# Altium PCB Flight_Computer_Unit.PcbDoc (part 1 of 3) (continued)
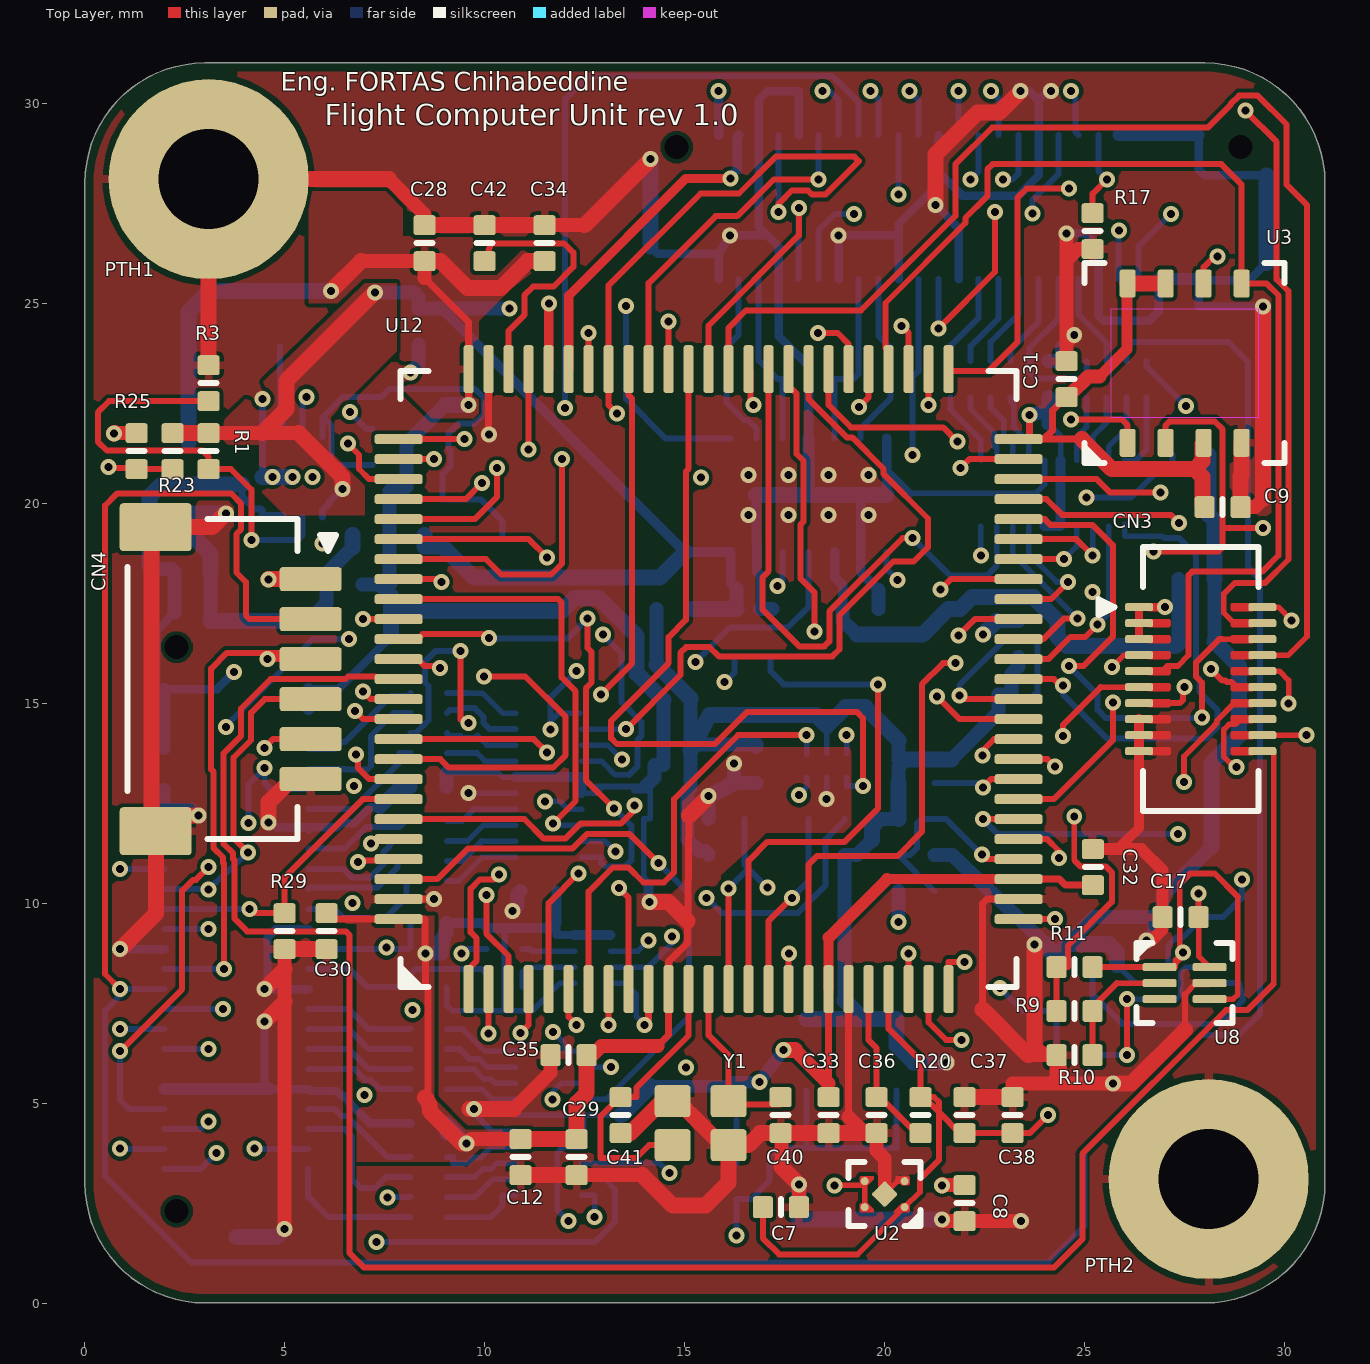
[diagram p0: Top Layer view]
## Design rules (kind name [scope] priority, off if disabled: settings)
BoardOutlineClearance [All] p1: gap=0.22 ignorepadtopadclearanceinfootprint=FALSE
Clearance [All] p1: gap=0.1 ignorepadtopadclearanceinfootprint=FALSE
ComponentClearance [All] p1: gap=0.05 collisioncheckmode=3 verticalgap=0.1 showdistances=FALSE
DiffPairsRouting [InDifferentialPair('USB')] p1: maxlimit=0.127 minlimit=0.127 mostfreqgap=0.127 toplayer_minwidth=0.23 toplayer_maxwidth=0.23 toplayer_prefwidth=0.23 midlayer1_minwidth=0.126 midlayer1_maxwidth=0.126 midlayer1_prefwidth=0.126 midlayer2_minwidth=0.126 midlayer2_maxwidth=0.126 midlayer2_prefwidth=0.126 bottomlayer_minwidth=0.23 bottomlayer_maxwidth=0.23 bottomlayer_prefwidth=0.23 impedanceprofiledriven=TRUE impedanceprofileid={7EB072AD-9B68-4753-8E3E-E2E8A4A79090} impedanceprofilevalue=90.000000 maxuncoupledlength=12.7
HoleToHoleClearance [All] p1: gap=0.15 allowstackedmicrovias=TRUE
MinimumSolderMaskSliver [All] p1: minsoldermaskwidth=0.15
PasteMaskExpansion [All] p1: expansion=-0.05
PlaneClearance [All] p1: clearance=0.508
PlaneConnect [All] p1: planeconnectstyle=Direct reliefexpansion=0.508 reliefentries=4 reliefconductorwidth=0.254 reliefairgap=0.254
PolygonConnect PolygonConnect_PWR [InNetClass('Power')] p1: thpad.connectstyle=Relief thpad.reliefconductorwidth=0.2 thpad.reliefentries=4 thpad.polygonreliefangle="90 Angle" thpad.airgapwidth=0.15 smdpad.connectstyle=Relief smdpad.reliefconductorwidth=0.2 smdpad.reliefentries=4 smdpad.polygonreliefangle="90 Angle" smdpad.airgapwidth=0.1 via.connectstyle=Direct via.reliefconductorwidth=0.254 via.reliefentries=4 via.polygonreliefangle="90 Angle" via.airgapwidth=0.254
PolygonConnect [All] p2: connectstyle=Relief reliefconductorwidth=0.2 reliefentries=4 polygonreliefangle="90 Angle" airgapwidth=0.15
RoutingVias [All] p1: holewidth=0.2 width=0.4 viastyle="Through Hole" minholewidth=0.15 minwidth=0.35 maxholewidth=0.711 maxwidth=1.27
SMDNeckDown [All] p1: percent=100.000
SilkToSilkClearance [All] p1: silktosilkclearance=0.15
SilkToSolderMaskClearance [IsPad] p1: minsilkscreentomaskgap=0.1 clearancetoexposedcopper=TRUE
SolderMaskExpansion [All] p1: expansion=0.1 istentingtop=FALSE
Width Width_PWR [InNetClass('Power')] p1: maxlimit=1 minlimit=0.14 preferedwidth=0.4
Width [All] p2: maxlimit=1 minlimit=0.1 preferedwidth=0.15
21 further rules are at their usual default settings.

## Classes and differential pairs
net class Power: GND VCC3 VCC5
component class 8_imu&debug_conn: C23 CN3 CN4
component class 7_can_rc_i2c_analog: C16 C17 C18 C19 C20 C21 C22 R5 R6 R7 R8 R9 R10 R11 R12 R13 R14 R15 R16 R17 U7 U8 U9 U10 U11
component class 6_uart_esc_i2c: C10 C11 C12 C13 C14 C15 RN1 RN2 RN3 RN4 RN5 RN6 U4 U5 U6
component class 5_spi_memory: C9 U3
component class 4_cpu: C24 C25 C26 C27 C28 C29 C30 C31 C32 C33 C34 C35 C36 C37 C38 C39 C40 C41 C42 C43 C44 D1 R18 R19 R20 R21 R22 R23 R24 R25 R26 R27 R28 R29 R30 U12 Y1
component class 3_power: C3 C4 C5 C6 C7 C8 L1 R1 R2 R3 R4 U1 U2
component class 2_mb_conn: C1 C2 CN1 CN2 PTH1 PTH2
differential pair USB: +USB_P -USB_N

## Components (designator, comment, footprint, x,y, rotation, side; value= is the part's Value field where it differs from the comment)
C1 "Capacitor 100nF +/-20% 10V 0402" CAPC0402(1005)60_L 2.7,18.25 r180 bottom locked value=100nF
C2 "Capacitor 100nF +/-20% 10V 0402" CAPC0402(1005)60_L 6.5,17.97 r0 bottom locked value=100nF
C3 "Capacitor 22µF +/-40% 16V 0805" CAPC0805(2012)145_L 2.6,20.645 r90 bottom locked value=22µF
C4 "Capacitor 22µF +/-40% 16V 0805" CAPC0805(2012)145_L 10.45,18.2 r270 bottom locked value=22µF
C5 "Capacitor 22µF +/-40% 16V 0805" CAPC0805(2012)145_L 7.6,19.2 r0 bottom locked value=22µF
C6 "Capacitor 100nF +/-20% 10V 0402" CAPC0402(1005)60_L 8.35,24.415 r90 bottom locked value=100nF
C7 "Capacitor 100nF +/-20% 10V 0402" CAPC0402(1005)60_L 17.405,2.4 r180 top locked value=100nF
C8 "Capacitor 22pF +/-10% 50V 0402" CAPC0402(1005)60_L 22,2.5 r90 top locked value=22pF
C9 "Capacitor 100nF +/-20% 10V 0402" CAPC0402(1005)60_L 28.45,19.9 r180 top locked value=100nF
C10 "Capacitor 100nF +/-20% 10V 0402" CAPC0402(1005)60_L 23.35,16.6 r90 bottom locked value=100nF
C11 "Capacitor 100nF +/-20% 10V 0402" CAPC0402(1005)60_L 24.1,23.1 r270 bottom locked value=100nF
C12 "Capacitor 100nF +/-20% 10V 0402" CAPC0402(1005)60_L 10.9,3.65 r90 top locked value=100nF
C13 "Capacitor 100nF +/-20% 10V 0402" CAPC0402(1005)60_L 8.6,4.5 r0 bottom locked value=100nF
C14 "Capacitor 100nF +/-20% 10V 0402" CAPC0402(1005)60_L 8.6,12.9 r0 bottom locked value=100nF
C15 "Capacitor 100nF +/-20% 10V 0402" CAPC0402(1005)60_L 14.7,13.45 r0 bottom locked value=100nF
C16 "Capacitor 100nF +/-20% 10V 0402" CAPC0402(1005)60_L 11.35,10.3 r0 bottom locked value=100nF
C17 "Capacitor 100nF +/-20% 10V 0402" CAPC0402(1005)60_L 27.4,9.65 r0 top locked value=100nF
C18 "Capacitor 2,2µF +/-20% 10V 0402" CAPC0402(1005)60_L 14.75,17.35 r0 bottom locked value=2.2µF
C19 "Capacitor 100nF +/-20% 10V 0402" CAPC0402(1005)60_L 19.4,17.35 r180 bottom locked value=100nF
C20 "Capacitor 100nF +/-20% 10V 0402" CAPC0402(1005)60_L 16.75,17.35 r180 bottom locked value=100nF
C21 "Capacitor 100nF +/-20% 10V 0402" CAPC0402(1005)60_L 27.4,9.65 r0 bottom locked value=100nF
C22 "Capacitor 100nF +/-20% 10V 0402" CAPC0402(1005)60_L 16.8,13.45 r270 bottom locked value=100nF
C23 "Capacitor 100nF +/-20% 10V 0402" CAPC0402(1005)60_L 27.8,18.105 r180 bottom locked value=100nF
C24 "Capacitor 100µF +/-20% 6.3V 0805" CAPC0805(2012)145_L 20.3,6.205 r270 bottom locked value=100µF
C25 "Capacitor 100µF +/-20% 6.3V 0805" CAPC0805(2012)145_L 20.3,2.995 r90 bottom locked value=100µF
C26 "Capacitor 100µF +/-20% 6.3V 0805" CAPC0805(2012)145_L 18.05,6.205 r270 bottom locked value=100µF
C27 "Capacitor 100µF +/-20% 6.3V 0805" CAPC0805(2012)145_L 18.05,2.995 r90 bottom locked value=100µF
C28 "Capacitor 2,2µF +/-20% 10V 0402" CAPC0402(1005)60_L 8.5,26.5 r90 top value=2.2µF
C29 "Capacitor 2,2µF +/-20% 10V 0402" CAPC0402(1005)60_L 12.3,3.65 r270 top locked value=2.2µF
C30 "Capacitor 100nF +/-20% 10V 0402" CAPC0402(1005)60_L 6.05,9.3 r270 top locked value=100nF
C31 "Capacitor 100nF +/-20% 10V 0402" CAPC0402(1005)60_L 24.55,23.1 r90 top locked value=100nF
C32 "Capacitor 100nF +/-20% 10V 0402" CAPC0402(1005)60_L 25.205,10.9 r90 top locked value=100nF
C33 "Capacitor 100nF +/-20% 10V 0402" CAPC0402(1005)60_L 18.6,4.7 r270 top locked value=100nF
C34 "Capacitor 100nF +/-20% 10V 0402" CAPC0402(1005)60_L 11.5,26.5 r90 top value=100nF
C35 "Capacitor 100nF +/-20% 10V 0402" CAPC0402(1005)60_L 12.1,6.2 r180 top locked value=100nF
C36 "Capacitor 2,2µF +/-20% 10V 0402" CAPC0402(1005)60_L 19.8,4.7 r90 top locked value=2.2µF
C37 "Capacitor 100nF +/-20% 10V 0402" CAPC0402(1005)60_L 22,4.7 r90 top locked value=100nF
C38 "Capacitor 2,2µF +/-20% 10V 0402" CAPC0402(1005)60_L 23.2,4.7 r270 top locked value=2.2µF
C39 "Capacitor 100nF +/-20% 10V 0402" CAPC0402(1005)60_L 20.8,12.1 r0 bottom locked value=100nF
C40 "Capacitor 12pF +/-10% 50V 0402" CAPC0402(1005)33_L 17.4,4.7 r270 top locked value=12pF
C41 "Capacitor 12pF +/-10% 50V 0402" CAPC0402(1005)33_L 13.4,4.7 r270 top locked value=12pF
C42 "Capacitor 2,2µF +/-20% 10V 0402" CAPC0402(1005)60_L 10,26.5 r90 top value=2.2µF
C43 "Capacitor 2,2µF +/-20% 10V 0402" CAPC0402(1005)60_L 27.65,21.2 r0 bottom locked value=2.2µF
C44 "Capacitor 100nF +/-20% 10V 0402" CAPC0402(1005)60_L 16.05,11.2 r0 bottom locked value=100nF
CN1 "DF12(3.0)-50DS-0.5V(86)" HIRO-DF12(3.0)-50DS-0.5V_V 21.85,27.4 r180 bottom locked
CN2 "DF12(3.0)-50DS-0.5V(86)" HIRO-DF12(3.0)-50DS-0.5V_V 3.8,9.35 r270 bottom locked
CN3 "DF40C-20DS-0.4V(51)" HIRO-DF40C-20DS-0.4V(51)_V 27.9,15.6 r270 top locked
CN4 "SM06B-SRSS-TB" JST-SM06B-SRSS-TB_V 3.2,15.6 r270 top locked
D1 "1SS400CSFH" ROHM-VMN2-2_V 16.3,5.05 r90 bottom locked
L1 "VLS252010HBX-2R2M-1" TDK-VLS252010_V 5.83,23.9 r0 bottom locked
PTH1 "PTH-M2D5X5" PTH-M2D5X5 3.1,28.1 r0 top locked
PTH2 "PTH-M2D5X5" PTH-M2D5X5 28.1,3.1 r0 top locked
R1 "Jumper 0402" RESC0402(1005)_L 3.1,21.3 r90 top locked value=0
R2 "Resistor 383K +/-1 % 0402 63 mW" RESC0402(1005)_L 8.5,20.4 r180 bottom value=383k
R3 "Resistor 1K +/-5 % 0402 63 mW" RESC0402(1005)_L 3.1,23 r270 top locked value=1k
R4 "Resistor 84K5 +/-1 % 0402 63 mW" RESC0402(1005)_L 7.2,21.4 r270 bottom locked value=84.5k
R5 "Resistor 2K2  +/-5 % 0402 63 mW" RESC0402(1005)_L 8.6,9.5 r180 bottom locked value=2.2k
R6 "Resistor 2K2  +/-5 % 0402 63 mW" RESC0402(1005)_L 8.6,7.9 r0 bottom locked value=2.2k
R7 "Resistor 200R +/-5 % 0402 63 mW" RESC0402(1005)_L 10.5,8.85 r180 bottom locked value=200
R8 "Resistor 200R +/-5 % 0402 63 mW" RESC0402(1005)_L 10.5,7.9 r180 bottom locked value=200
R9 "Resistor 1K +/-5 % 0402 63 mW" RESC0402(1005)_L 24.75,7.3 r180 top locked value=1k
R10 "Resistor 1M +/-5 % 0402 63 mW" RESC0402(1005)_L 24.75,6.2 r0 top locked value=1M
R11 "Resistor 200R +/-5 % 0402 63 mW" RESC0402(1005)_L 24.75,8.4 r0 top locked value=200
R12 "Resistor 120R +/-5 % 0603 0.1 W" RESC0603(1608)_L 19.45,23.1 r0 bottom locked value=120
R13 "Resistor 120R +/-5 % 0603 0.1 W" RESC0603(1608)_L 16.75,23.1 r0 bottom locked value=120
R14 "Resistor 1K +/-5 % 0402 63 mW" RESC0402(1005)_L 24.75,7.3 r180 bottom locked value=1k
R15 "Resistor 1M +/-5 % 0402 63 mW" RESC0402(1005)_L 24.75,8.4 r0 bottom locked value=1M
R16 "Resistor 200R +/-5 % 0402 63 mW" RESC0402(1005)_L 24.75,6.2 r0 bottom locked value=200
R17 "Resistor 1M +/-5 % 0402 63 mW" RESC0402(1005)_L 25.2,26.8 r270 top locked value=1M
R18 "Resistor 1K +/-5 % 0402 63 mW" RESC0402(1005)_L 16.3,3.05 r90 bottom locked value=1k
R19 "Resistor 10K  +/-1 % 0402 63 mW" RESC0402(1005)_L 16.05,12.1 r180 bottom locked value=10k
R20 "Resistor 100R +/-1 % 0402 63 mW" RESC0402(1005)_L 20.9,4.7 r270 top locked value=100
R21 "Resistor 10K  +/-1 % 0402 63 mW" RESC0402(1005)_L 20.8,10.3 r180 bottom locked value=10k
R22 "Resistor 10K  +/-1 % 0402 63 mW" RESC0402(1005)_L 20.8,11.2 r180 bottom locked value=10k
R23 "Resistor 4K7  +/-1 % 0402 63 mW" RESC0402(1005)_L 2.2,21.3 r90 top locked value=4.7k
R24 "Resistor 10K  +/-1 % 0402 63 mW" RESC0402(1005)_L 16.7,16.1 r0 bottom locked value=10k
R25 "Resistor 4K7  +/-1 % 0402 63 mW" RESC0402(1005)_L 1.3,21.3 r270 top locked value=4.7k
R26 "Resistor 10K  +/-1 % 0402 63 mW" RESC0402(1005)_L 18.55,12.1 r0 bottom locked value=10k
R27 "Resistor 1M +/-5 % 0402 63 mW" RESC0402(1005)_L 18.55,11.2 r180 bottom locked value=1M
R28 "Resistor 10K  +/-1 % 0402 63 mW" RESC0402(1005)_L 23.3,15.22 r0 bottom locked value=10k
R29 "Resistor 10K  +/-1 % 0402 63 mW" RESC0402(1005)_L 5,9.3 r90 top locked value=10k
R30 "Resistor 4K7  +/-1 % 0402 63 mW" RESC0402(1005)_L 20.8,13 r180 bottom locked value=4.7k
RN1 "Resistor 200R +/-5% 0402 62.5 mW" Panasonic_EXB28 25.795,23.1 r90 bottom locked value=200
RN2 "Resistor 200R +/-5% 0402 62.5 mW" Panasonic_EXB28 22.4,23.1 r90 bottom locked value=200
RN3 "Resistor 200R +/-5% 0402 62.5 mW" Panasonic_EXB28 8.6,6.1 r180 bottom locked value=200
RN4 "Resistor 200R +/-5% 0402 62.5 mW" Panasonic_EXB28 8.6,2.9 r180 bottom locked value=200
RN5 "Resistor 200R +/-5% 0402 62.5 mW" Panasonic_EXB28 8.6,14.5 r180 bottom locked value=200
RN6 "Resistor 200R +/-5% 0402 62.5 mW" Panasonic_EXB28 8.6,11.3 r180 bottom locked value=200
U1 "TPS62060DSG" DSG0008A_V 5.2,20.65 r270 bottom locked
U2 "LP5907SNX-3.3" TI-DQN4-480X480TP_V 20,2.725 r180 top
U3 "FM25V02A-DGTR" SON95P400X75_HS-9N 27.5,23.5 r90 top
U4 "TXB0108DQSR" DQS0020A_V 24.2,20.25 r90 bottom locked
U5 "TXB0108DQSR" DQS0020A_V 11.6,4.5 r180 bottom locked
U6 "TXB0108DQSR" DQS0020A_V 11.6,12.95 r180 bottom locked
U7 "TXS0102DQMR" DQM 12.7,8.6 r180 bottom locked
U8 "TSV991AIQ1T" STM-DFN-8_V 27.5,8 r0 top locked
U9 "TJA1046" NXP-SOT1086-2_L 18.1,20.2 r90 bottom locked
U10 "TSV991AIQ1T" STM-DFN-8_V 27.4,8 r180 bottom locked
U11 "SN74LVC1G58DRYR" DRY0006A_V 18.55,13.45 r270 bottom locked
U12 "STM32F427VIT6" STM-LQFP100 15.6,15.6 r90 top locked
Y1 "FA-12824.0000MF10Z-W3" EPSON-FA-128_V 15.4,4.5 r90 top

## Footprints (in the part's own frame and the unit in brackets; to place one, negate y for a bottom-side part, rotate by r counter-clockwise, add the part's x,y. Pads: shape width x height; smd on the part's side, far side on the other; paste and mask are expansions set on the pad)
CAPC0402(1005)33_L [mm]
  rrect25% 0.5x0.55 smd: 1(-0.45,0) 2(0.45,0)
  silkscreen extent 0,-0.2 0,0.2, body extent -0.5,-0.25 0.5,0.25, height 0.55
CAPC0402(1005)60_L [mm]
  rrect25% 0.5x0.55 smd: 1(-0.45,0) 2(0.45,0)
  silkscreen extent 0,-0.2 0,0.2, body extent -0.5,-0.25 0.5,0.25, height 0.6
CAPC0805(2012)145_L [mm]
  rrect25% 0.76x1.3 smd: 1(-0.9,0) 2(0.89,0)
  silkscreen extent -0.3,-0.55 0.3,0.55, body extent -1,-0.6 1,0.6, height 1.45
DQM [mm]
  rrect36% 0.7x0.2 smd paste+0 mask+0.05: 1(-0.45,0.6) 2(-0.45,0.2) 3(-0.45,-0.2) 4(-0.45,-0.6) 5(0.45,-0.6) 6(0.45,-0.2) 7(0.45,0.2) 8(0.45,0.6)
  silkscreen extent -1,-1.2 1,1.2, body extent -0.63,-0.92 0.63,0.92, height 0.35
DQS0020A_V [mm]
  rrect50% 0.95x0.2 smd: 1(-0.775,1.8)
  rrect50% 0.85x0.2 smd: 2(-0.825,1.4) 3(-0.825,1) 4(-0.825,0.6) 5(-0.825,0.2) 6(-0.825,-0.2) 7(-0.825,-0.6) 8(-0.825,-1) 9(-0.825,-1.4) 10(-0.825,-1.8) 11(0.825,-1.8) 12(0.825,-1.4) 13(0.825,-1) 14(0.825,-0.6) 15(0.825,-0.2) 16(0.825,0.2) 17(0.825,0.6) 18(0.825,1) 19(0.825,1.4) 20(0.825,1.8)
  silkscreen extent -1.6,-2.2 1.6,2.2, body extent -1,-2 1,2, height 0.5
DRY0006A_V [mm]
  rrect50% 0.35x0.2 smd: 1(-0.275,0.5)
  rrect50% 0.3x0.2 smd: 2(-0.3,0) 3(-0.3,-0.5) 4(0.3,-0.5) 5(0.3,0) 6(0.3,0.5)
  silkscreen extent -0.8,-1 0.8,1, body extent -0.5,-0.75 0.5,0.75, height 0.51
DSG0008A_V [mm]
  rrect50% 0.6x0.25 smd: 1(-1,0.75) 2(-1,0.25) 3(-1,-0.25) 4(-1,-0.75) 5(1,-0.75) 6(1,-0.25) 7(1,0.25) 8(1,0.75)
  rrect15% 0.9x1.6 smd paste-0.45: 9(0,0)
  silkscreen extent -1.5,-1.4 1.5,1.4, body extent -1,-1 1,1, height 0.79
EPSON-FA-128_V [mm]
  rrect20% 0.8x0.9 smd: 1(-0.55,0.7) 2(-0.55,-0.7) 3(0.55,-0.7) 4(0.55,0.7)
  body extent -0.8,-1 0.8,1, height 0.4
HIRO-DF12(3.0)-50DS-0.5V_V [mm]
  rrect50% 0.3x1.6 smd paste-0.01: 1(-6,1.8) 2(-6,-1.8) 3(-5.5,1.8) 4(-5.5,-1.8) 5(-5,1.8) 6(-5,-1.8) 7(-4.5,1.8) 8(-4.5,-1.8) 9(-4,1.8) 10(-4,-1.8) 11(-3.5,1.8) 12(-3.5,-1.8) 13(-3,1.8) 14(-3,-1.8) 15(-2.5,1.8) 16(-2.5,-1.8) 17(-2,1.8) 18(-2,-1.8) 19(-1.5,1.8) 20(-1.5,-1.8) 21(-1,1.8) 22(-1,-1.8) 23(-0.5,1.8) 24(-0.5,-1.8) 25(0,1.8) 26(0,-1.8) 27(0.5,1.8) 28(0.5,-1.8) 29(1,1.8) 30(1,-1.8) 31(1.5,1.8) 32(1.5,-1.8) 33(2,1.8) 34(2,-1.8) 35(2.5,1.8) 36(2.5,-1.8) 37(3,1.8) 38(3,-1.8) 39(3.5,1.8) 40(3.5,-1.8) 41(4,1.8) 42(4,-1.8) 43(4.5,1.8) 44(4.5,-1.8) 45(5,1.8) 46(5,-1.8) 47(5.5,1.8) 48(5.5,-1.8) 49(6,1.8) 50(6,-1.8)
  round 0 hole 0.6 unplated: H1(-7.05,1.5) H2(7.05,1.5)
  rrect20% 0.8x1.8 smd: MP1(-7.7,0) MP2(7.7,0)
  silkscreen extent -6.9,2.2 -6.5,2.6, body extent -7.8,-2.3 7.8,2.3, height 2.2
HIRO-DF40C-20DS-0.4V(51)_V [mm]
  rrect50% 0.2x0.7 smd: 1(-1.8,-1.54) 2(-1.8,1.54) 3(-1.4,-1.54) 4(-1.4,1.54) 5(-1,-1.54) 6(-1,1.54) 7(-0.6,-1.54) 8(-0.6,1.54) 9(-0.2,-1.54) 10(-0.2,1.54) 11(0.2,-1.54) 12(0.2,1.54) 13(0.6,-1.54) 14(0.6,1.54) 15(1,-1.54) 16(1,1.54) 17(1.4,-1.54) 18(1.4,1.54) 19(1.8,-1.54) 20(1.8,1.54)
  Top Layer region: -1.9,-1.3 -1.7,-1.3 -1.7,-0.8 -1.7,-0.79 -1.708,-0.772 -1.722,-0.758 -1.74,-0.75 -1.75,-0.75 -1.75,-0.75 -1.85,-0.75 -1.86,-0.75 -1.878,-0.758 -1.892,-0.772 -1.9,-0.79 -1.9,-0.8 -1.9,-0.8
  Top Layer region: -1.5,-1.3 -1.3,-1.3 -1.3,-0.8 -1.3,-0.79 -1.308,-0.772 -1.322,-0.758 -1.34,-0.75 -1.35,-0.75 -1.35,-0.75 -1.45,-0.75 -1.46,-0.75 -1.478,-0.758 -1.492,-0.772 -1.5,-0.79 -1.5,-0.8 -1.5,-0.8
  Top Layer region: -1.1,-1.3 -0.9,-1.3 -0.9,-0.8 -0.9,-0.79 -0.908,-0.772 -0.922,-0.758 -0.94,-0.75 -0.95,-0.75 -0.95,-0.75 -1.05,-0.75 -1.06,-0.75 -1.078,-0.758 -1.092,-0.772 -1.1,-0.79 -1.1,-0.8 -1.1,-0.8
  Top Layer region: -0.7,-1.3 -0.5,-1.3 -0.5,-0.8 -0.5,-0.79 -0.508,-0.772 -0.522,-0.758 -0.54,-0.75 -0.55,-0.75 -0.55,-0.75 -0.65,-0.75 -0.66,-0.75 -0.678,-0.758 -0.692,-0.772 -0.7,-0.79 -0.7,-0.8 -0.7,-0.8
  Top Layer region: -0.3,-1.3 -0.1,-1.3 -0.1,-0.8 -0.1,-0.79 -0.108,-0.772 -0.122,-0.758 -0.14,-0.75 -0.15,-0.75 -0.15,-0.75 -0.25,-0.75 -0.26,-0.75 -0.278,-0.758 -0.292,-0.772 -0.3,-0.79 -0.3,-0.8 -0.3,-0.8
  Top Layer region: 0.1,-1.3 0.3,-1.3 0.3,-0.8 0.3,-0.79 0.292,-0.772 0.278,-0.758 0.26,-0.75 0.25,-0.75 0.25,-0.75 0.15,-0.75 0.14,-0.75 0.122,-0.758 0.108,-0.772 0.1,-0.79 0.1,-0.8 0.1,-0.8
  Top Layer region: 0.5,-1.3 0.7,-1.3 0.7,-0.8 0.7,-0.79 0.692,-0.772 0.678,-0.758 0.66,-0.75 0.65,-0.75 0.65,-0.75 0.55,-0.75 0.54,-0.75 0.522,-0.758 0.508,-0.772 0.5,-0.79 0.5,-0.8 0.5,-0.8
  Top Layer region: 0.9,-1.3 1.1,-1.3 1.1,-0.8 1.1,-0.79 1.092,-0.772 1.078,-0.758 1.06,-0.75 1.05,-0.75 1.05,-0.75 0.95,-0.75 0.94,-0.75 0.922,-0.758 0.908,-0.772 0.9,-0.79 0.9,-0.8 0.9,-0.8
  Top Layer region: 1.3,-1.3 1.5,-1.3 1.5,-0.8 1.5,-0.79 1.492,-0.772 1.478,-0.758 1.46,-0.75 1.45,-0.75 1.45,-0.75 1.35,-0.75 1.34,-0.75 1.322,-0.758 1.308,-0.772 1.3,-0.79 1.3,-0.8 1.3,-0.8
  Top Layer region: 1.7,-1.3 1.9,-1.3 1.9,-0.8 1.9,-0.79 1.892,-0.772 1.878,-0.758 1.86,-0.75 1.85,-0.75 1.85,-0.75 1.75,-0.75 1.74,-0.75 1.722,-0.758 1.708,-0.772 1.7,-0.79 1.7,-0.8 1.7,-0.8
  Top Layer region: -1.7,1.3 -1.9,1.3 -1.9,0.8 -1.9,0.79 -1.892,0.772 -1.878,0.758 -1.86,0.75 -1.85,0.75 -1.85,0.75 -1.75,0.75 -1.74,0.75 -1.722,0.758 -1.708,0.772 -1.7,0.79 -1.7,0.8 -1.7,0.8
  Top Layer region: -1.3,1.3 -1.5,1.3 -1.5,0.8 -1.5,0.79 -1.492,0.772 -1.478,0.758 -1.46,0.75 -1.45,0.75 -1.45,0.75 -1.35,0.75 -1.34,0.75 -1.322,0.758 -1.308,0.772 -1.3,0.79 -1.3,0.8 -1.3,0.8
  Top Layer region: -0.9,1.3 -1.1,1.3 -1.1,0.8 -1.1,0.79 -1.092,0.772 -1.078,0.758 -1.06,0.75 -1.05,0.75 -1.05,0.75 -0.95,0.75 -0.94,0.75 -0.922,0.758 -0.908,0.772 -0.9,0.79 -0.9,0.8 -0.9,0.8
  Top Layer region: -0.5,1.3 -0.7,1.3 -0.7,0.8 -0.7,0.79 -0.692,0.772 -0.678,0.758 -0.66,0.75 -0.65,0.75 -0.65,0.75 -0.55,0.75 -0.54,0.75 -0.522,0.758 -0.508,0.772 -0.5,0.79 -0.5,0.8 -0.5,0.8
  Top Layer region: -0.1,1.3 -0.3,1.3 -0.3,0.8 -0.3,0.79 -0.292,0.772 -0.278,0.758 -0.26,0.75 -0.25,0.75 -0.25,0.75 -0.15,0.75 -0.14,0.75 -0.122,0.758 -0.108,0.772 -0.1,0.79 -0.1,0.8 -0.1,0.8
  Top Layer region: 0.3,1.3 0.1,1.3 0.1,0.8 0.1,0.79 0.108,0.772 0.122,0.758 0.14,0.75 0.15,0.75 0.15,0.75 0.25,0.75 0.26,0.75 0.278,0.758 0.292,0.772 0.3,0.79 0.3,0.8 0.3,0.8
  Top Layer region: 0.7,1.3 0.5,1.3 0.5,0.8 0.5,0.79 0.508,0.772 0.522,0.758 0.54,0.75 0.55,0.75 0.55,0.75 0.65,0.75 0.66,0.75 0.678,0.758 0.692,0.772 0.7,0.79 0.7,0.8 0.7,0.8
  Top Layer region: 1.1,1.3 0.9,1.3 0.9,0.8 0.9,0.79 0.908,0.772 0.922,0.758 0.94,0.75 0.95,0.75 0.95,0.75 1.05,0.75 1.06,0.75 1.078,0.758 1.092,0.772 1.1,0.79 1.1,0.8 1.1,0.8
  Top Layer region: 1.5,1.3 1.3,1.3 1.3,0.8 1.3,0.79 1.308,0.772 1.322,0.758 1.34,0.75 1.35,0.75 1.35,0.75 1.45,0.75 1.46,0.75 1.478,0.758 1.492,0.772 1.5,0.79 1.5,0.8 1.5,0.8
  Top Layer region: 1.9,1.3 1.7,1.3 1.7,0.8 1.7,0.79 1.708,0.772 1.722,0.758 1.74,0.75 1.75,0.75 1.75,0.75 1.85,0.75 1.86,0.75 1.878,0.758 1.892,0.772 1.9,0.79 1.9,0.8 1.9,0.8
  silkscreen extent -3.3,-2.55 3.3,1.44, body extent -3.3,-1.69 3.3,1.69, height 1.45
JST-SM06B-SRSS-TB_V [mm]
  rrect25% 0.6x1.55 smd: 1(-2.5,2.45) 2(-1.5,2.45) 3(-0.5,2.45) 4(0.5,2.45) 5(1.5,2.45) 6(2.5,2.45)
  rrect15% 1.2x1.8 smd: MP1(-3.8,-1.425) MP2(3.8,-1.425)
  silkscreen extent -4,-2.13 4,3.09, body extent -4,-2.15 4,2.8, height 2.9
NXP-SOT1086-2_L [mm]
  rrect50% 0.85x0.35 smd: 1(-1.42,1.95) 2(-1.42,1.3) 3(-1.42,0.65) 4(-1.42,0) 5(-1.42,-0.65) 6(-1.42,-1.3) 7(-1.42,-1.95) 8(1.42,-1.95) 9(1.42,-1.3) 10(1.42,-0.65) 11(1.42,0) 12(1.42,0.65) 13(1.42,1.3) 14(1.42,1.95)
  rrect10% 1.59x4.2 smd: 15(0,0)
  silkscreen extent -2,-2.7 2,2.7, body extent -1.55,-2.3 1.55,2.3, height 1
Panasonic_EXB28 [mm]
  rrect50% 0.55x0.3 smd: 1(-0.455,0.75) 2(-0.455,0.25) 3(-0.455,-0.25) 4(-0.455,-0.75) 5(0.455,-0.75) 6(0.455,-0.25) 7(0.455,0.25) 8(0.455,0.75)
  body extent -0.5,-1 0.5,1, height 0.37
PTH-M2D5X5 [mm]
  round 5 hole 2.5: 1(0,0)
RESC0402(1005)_L [mm]
  rrect25% 0.5x0.55 smd: 1(-0.45,0) 2(0.45,0)
  silkscreen extent 0,-0.2 0,0.2, body extent -0.5,-0.25 0.5,0.25, height 0.3
RESC0603(1608)_L [mm]
  rrect25% 0.66x0.76 smd: 1(-0.7,0) 2(0.7,0)
  silkscreen extent 0,-0.3 0,0.3, body extent -0.8,-0.4 0.8,0.4, height 0.45
ROHM-VMN2-2_V [mm]
  rrect25% 0.45x0.55 smd: 1(-0.475,0) 2(0.475,0)
  silkscreen extent -0.9,-0.2 -0.9,0.2, body extent -0.5,-0.3 0.5,0.3, height 0.37
SON95P400X75_HS-9N [mm]
  rrect30% 0.7x0.4 smd: 1(-1.99,1.425) 2(-1.99,0.475) 3(-1.99,-0.475) 4(-1.99,-1.425) 5(1.99,-1.425) 6(1.99,-0.475) 7(1.99,0.475) 8(1.99,1.425)
  Top Layer keep-out region: -1.35,-1.85 1.35,-1.85 1.35,1.85 -1.35,1.85
  silkscreen extent -2.5,-2.5 2.5,2.5, body extent -2,-2.25 2,2.25, height 0.77
STM-DFN-8_V [mm]
  rrect50% 0.85x0.2 smd: 1(-0.625,0.4) 2(-0.625,0) 3(-0.625,-0.4) 4(0.625,-0.4) 5(0.625,0) 6(0.625,0.4)
  silkscreen extent -1.2,-1 1.2,1, body extent -0.81,-0.65 0.81,0.65, height 0.56
STM-LQFP100 [mm]
  rrect50% 1.2x0.25 smd: 1(-7.75,6) 2(-7.75,5.5) 3(-7.75,5) 4(-7.75,4.5) 5(-7.75,4) 6(-7.75,3.5) 7(-7.75,3) 8(-7.75,2.5) 9(-7.75,2) 10(-7.75,1.5) 11(-7.75,1) 12(-7.75,0.5) 13(-7.75,0) 14(-7.75,-0.5) 15(-7.75,-1) 16(-7.75,-1.5) 17(-7.75,-2) 18(-7.75,-2.5) 19(-7.75,-3) 20(-7.75,-3.5) 21(-7.75,-4) 22(-7.75,-4.5) 23(-7.75,-5) 24(-7.75,-5.5) 25(-7.75,-6) 51(7.75,-6) 52(7.75,-5.5) 53(7.75,-5) 54(7.75,-4.5) 55(7.75,-4) 56(7.75,-3.5) 57(7.75,-3) 58(7.75,-2.5) 59(7.75,-2) 60(7.75,-1.5) 61(7.75,-1) 62(7.75,-0.5) 63(7.75,0) 64(7.75,0.5) 65(7.75,1) 66(7.75,1.5) 67(7.75,2) 68(7.75,2.5) 69(7.75,3) 70(7.75,3.5) 71(7.75,4) 72(7.75,4.5) 73(7.75,5) 74(7.75,5.5) 75(7.75,6)
  rrect50% 0.25x1.2 smd: 26(-6,-7.75) 27(-5.5,-7.75) 28(-5,-7.75) 29(-4.5,-7.75) 30(-4,-7.75) 31(-3.5,-7.75) 32(-3,-7.75) 33(-2.5,-7.75) 34(-2,-7.75) 35(-1.5,-7.75) 36(-1,-7.75) 37(-0.5,-7.75) 38(0,-7.75) 39(0.5,-7.75) 40(1,-7.75) 41(1.5,-7.75) 42(2,-7.75) 43(2.5,-7.75) 44(3,-7.75) 45(3.5,-7.75) 46(4,-7.75) 47(4.5,-7.75) 48(5,-7.75) 49(5.5,-7.75) 50(6,-7.75) 76(6,7.75) 77(5.5,7.75) 78(5,7.75) 79(4.5,7.75) 80(4,7.75) 81(3.5,7.75) 82(3,7.75) 83(2.5,7.75) 84(2,7.75) 85(1.5,7.75) 86(1,7.75) 87(0.5,7.75) 88(0,7.75) 89(-0.5,7.75) 90(-1,7.75) 91(-1.5,7.75) 92(-2,7.75) 93(-2.5,7.75) 94(-3,7.75) 95(-3.5,7.75) 96(-4,7.75) 97(-4.5,7.75) 98(-5,7.75) 99(-5.5,7.75) 100(-6,7.75)
  silkscreen extent -7.7,-7.7 7.7,7.7, body extent -8,-8 8,8, height 1.6
TDK-VLS252010_V [mm]
  rrect25% 0.6x2 smd: 1(-0.95,0) 2(0.95,0)
  silkscreen extent -0.25,-1 0.25,1, body extent -1.25,-1 1.25,1, height 1
TI-DQN4-480X480TP_V [mm]
  round 0.2 smd mask+0: 1(-0.5,0.325) 2(-0.5,-0.325) 3(0.5,-0.325) 4(0.5,0.325)
  rrect25% 0.48x0.48 smd rot 45 paste+0.005: 5(0,0)
  Top Layer region: -0.275,-0.45 -0.275,-0.375 -0.425,-0.225 -0.6,-0.225 -0.625,-0.25 -0.625,-0.425 -0.6,-0.45
  Top Layer region: 0.275,-0.45 0.275,-0.375 0.425,-0.225 0.6,-0.225 0.625,-0.25 0.625,-0.425 0.6,-0.45
  Top Layer region: 0.275,0.45 0.275,0.375 0.425,0.225 0.6,0.225 0.625,0.25 0.625,0.425 0.6,0.45
  Top Layer region: -0.225,0.45 -0.225,0.425 -0.425,0.225 -0.6,0.225 -0.625,0.25 -0.625,0.425 -0.6,0.45
  silkscreen extent -0.9,-0.8 0.9,0.8, body extent -0.5,-0.5 0.5,0.5, height 0.35

## Part data
C1 C2 C6 C7 C9 C10 C11 C12 C13 C14 C15 C16 C17 C19 C20 C21 C22 C23 C30 C31 C32 C33 C34 C35 C37 C39 C44: "Chip Capacitor, 100nF +/-20%, 10V, 0402, Thickness 0.6 mm", Case/Package=0402, Manufacturer=KEMET, Manufacturer Part Number=C0402C104K8RAC, Max Operating Temperature=85°C, Min Operating Temperature=-55°C, Tolerance=20%, Voltage Rating=10V, Component Type=Capacitors, Mounting Technology=SMT, Pins=2
C3 C4 C5: "Chip Capacitor, 22µF +/-40%, 16V, 0805, Thickness 1.45 mm", Case/Package=0402, Manufacturer=Murata, Manufacturer Part Number=GRM21BR61C226ME44L, Max Operating Temperature=85°C, Min Operating Temperature=-55°C, Tolerance=5%, Voltage Rating=16V, Component Type=Capacitors, Mounting Technology=SMT, Pins=2
C8: "Chip Capacitor, 22pF +/-10%, 50V, 0402, Thickness 0.6 mm", Case/Package=0402, Manufacturer="Kyocera AVX", Manufacturer Part Number=04025A220JAT4A, Max Operating Temperature=85°C, Min Operating Temperature=-55°C, Tolerance=10%, Voltage Rating=50V, Component Type=Capacitors, Mounting Technology=SMT, Pins=2
C18 C28 C29 C36 C38 C42 C43: "Chip Capacitor, 2,2µF +/-20%, 10V, 0402, Thickness 0.6 mm", Case/Package=0603, Manufacturer=Murata, Manufacturer Part Number=GRT155R61E225KE13D, Max Operating Temperature=85°C, Min Operating Temperature=-55°C, Tolerance=10%, Voltage Rating=10V, Component Type=Capacitors, Mounting Technology=SMT, Pins=2
C24 C25 C26 C27: "Chip Capacitor, 100µF +/-20%, 6.3V, 0805, Thickness 1.45 mm", Case/Package=0402, Manufacturer=Murata, Manufacturer Part Number=GRM21BR60G107ME15L, Max Operating Temperature=85°C, Min Operating Temperature=-55°C, Tolerance=10%, Voltage Rating=6.3V, Component Type=Capacitors, Mounting Technology=SMT, Pins=2
C40 C41: "Chip Capacitor, 12pF +/-10%, 50V, 0402, Thickness 0.33 mm", Case/Package=0603, Manufacturer=Murata, Manufacturer Part Number=GCM1555C1H120JA16D, Max Operating Temperature=85°C, Min Operating Temperature=-55°C, Tolerance=20%, Voltage Rating=50V, Component Type=Capacitors, Mounting Technology=SMT, Pins=2
CN1 CN2: "Receptacle Connector, 50 V, 0.3 A, -45 to 125 degC, RoHS, Tape and Reel", Manufacturer=Hirose, Component Type=Connectors, Manufacturer Part Number=DF12(3.0)-50DS-0.5V(86), Pins=52, System=Connector
CN3: "Receptacle Connector, 30 V, 0.3 A, -35 to 85 degC, RoHS, Tape and Reel", Manufacturer=Hirose, Component Type=Connectors, Connector Type=Receptacle,CenterStripContacts, Manufacturer Part Number=DF40C-20DS-0.4V(51), Pins=20, System=Connector
CN4: "Male Header, Pitch 1 mm, 1 x 6 Position, Height 2.95 mm, -25 to 85 degC, RoHS, Tape and Reel", Case/Package="Male Header, Pitch 1 mm, 1 X 6 Position, Height 2.9 mm", Manufacturer=JST, Manufacturer Part Number=SM06B-SRSS-TB(LF)(SN), Component Type=Connectors, Mounting Technology=SurfaceMount, Pins=8
D1: "Switching Diode (High Speed Switching), 80 V, 100 mA, 2-Pin SOD-923, RoHS, Tape and Reel", Manufacturer=Rohm, Manufacturer Part Number=1SS400CSFHT2RA, Component Type=Diodes, Mounting Technology=SMT, Pins=2
L1: "Inductor for Power Circuit, 2.2 uH, +/- 20%, -40 to 105 degC, 2-Pin SMD, RoHS, Tape and Reel", Manufacturer=TDK, Tolerance=20%, Component Type=Inductors, Manufacturer Part Number=VLS252010HBX-2R2M-1, Mounting Technology=SurfaceMount, Pins=2
PTH1 PTH2: "M2 PTH (2.5mm), 5mm pad", Component Type=Mechanical, Pins=1
R1: Case/Package=0402, Manufacturer=Yageo, Manufacturer Part Number=RC0402JR-070RL, Max Operating Temperature=155°C, Min Operating Temperature=-55°C, Component Type=Resistors, Pins=2
R2: "Chip Resistor, 383 kOhms, +/-1 %, 63 mW, -55 to 155 degC, 0402", Case/Package=0402, Manufacturer=Vishay, Manufacturer Part Number=CRCW0402383KFKED, Max Operating Temperature=155°C, Min Operating Temperature=-55°C, Power=63mW, Tolerance=1%, Component Type=Resistors, Pins=2
R3 R9 R14 R18: "Chip Resistor, 1 kOhms, +/-5 %, 63 mW, -55 to 155 degC, 0402", Case/Package=0402, Manufacturer=Yageo, Manufacturer Part Number=RC0402JR-071KL, Max Operating Temperature=155°C, Min Operating Temperature=-55°C, Power=63mW, Tolerance=5%, Component Type=Resistors, Pins=2
R4: "Chip Resistor, 84,5 kOhms, +/-1 %, 63 mW, -55 to 155 degC, 0402", Case/Package=0402, Manufacturer="Vishay Dale", Manufacturer Part Number=CRCW040284K5FKTD, Max Operating Temperature=155°C, Min Operating Temperature=-55°C, Power=63mW, Tolerance=1%, Component Type=Resistors, Pins=2
R5 R6: "Chip Resistor, 2,2 kOhms, +/-5 %, 63 mW, -55 to 155 degC, 0402", Case/Package=0402, Manufacturer="Vishay Dale", Manufacturer Part Number=CRCW04022K20JNTE, Max Operating Temperature=155°C, Min Operating Temperature=-55°C, Power=63mW, Tolerance=5%, Component Type=Resistors, Pins=2
R7 R8 R11 R16: "Chip Resistor, 200 Ohms, +/-5 %, 63 mW, -55 to 155 degC, 0402", Case/Package=0402, Manufacturer=Yageo, Manufacturer Part Number=RC0402JR-07200RL, Max Operating Temperature=155°C, Min Operating Temperature=-55°C, Power=63mW, Tolerance=5%, Component Type=Resistors, Pins=2
R10 R15 R17 R27: "Chip Resistor, 1 MOhms, +/-5 %, 63 mW, -55 to 155 degC, 0402", Case/Package=0402, Manufacturer=Yageo, Manufacturer Part Number=RC0402JR-071ML, Max Operating Temperature=155°C, Min Operating Temperature=-55°C, Power=63mW, Tolerance=5%, Component Type=Resistors, Pins=2
R12 R13: "Chip Resistor, 120 Ohms, +/-5 %, 0.1 W, -55 to 155 degC, 0603", Case/Package=0603, Manufacturer="Vishay Dale", Manufacturer Part Number=CRCW0603120RJNTA, Max Operating Temperature=155°C, Min Operating Temperature=-55°C, Power=100mW, Tolerance=5%, Component Type=Resistors, Pins=2
R19 R21 R22 R24 R26 R28 R29: "Chip Resistor, 10 kOhms, +/-1 %, 63 mW, -55 to 125 degC, 0402", Case/Package=0402, Manufacturer="Vishay Dale", Manufacturer Part Number=CRCW040210K0FKTD, Max Operating Temperature=155°C, Min Operating Temperature=-55°C, Power=63mW, Tolerance=1%, Component Type=Resistors, Pins=2
R20: "Chip Resistor, 100 Ohms, +/-1 %, 63 mW, -55 to 155 degC, 0402", Case/Package=0402, Manufacturer="Vishay Dale", Manufacturer Part Number=CRCW0402100RFKED, Max Operating Temperature=155°C, Min Operating Temperature=-55°C, Power=63mW, Tolerance=1%, Component Type=Resistors, Pins=2
R23 R25 R30: "Chip Resistor, 4,7 kOhms, +/-1 %, 63 mW, -55 to 155 degC, 0402", Case/Package=0402, Manufacturer=Panasonic, Manufacturer Part Number=ERJ-2RKF4701X, Max Operating Temperature=155°C, Min Operating Temperature=-55°C, Power=63mW, Tolerance=1%, Component Type=Resistors, Pins=2
RN1 RN2 RN3 RN4 RN5 RN6: "Res Thick Film Array 200 Ohm 5% 200ppm/C ISOL Molded 8-Pin 0804(4 X 0402) Convex SMD Punched Carrier T/R", Case/Package=0402, Manufacturer=Panasonic, Manufacturer Part Number=EXB-28V201JX, Max Operating Temperature=125°C, Min Operating Temperature=-55°C, Power=62.5mW, Tolerance=5%, Component Type=Resistors, Pins=8
U1: "Step Down Converter, 3 MHz, 1.6 A, -45 to 85 degC, 8-Pin WSON, RoHS, Tape and Reel", Manufacturer="Texas Instruments", Manufacturer Part Number=TPS62060DSGR, Component Type="Power Supply", Pins=9
U2: "Ultra-Low-Noise, Low-IQ LDO, 3.3 V, 0.25 A, -40 to 125 degC, 4-Pin X2SON, RoHS, Tape and Reel", Manufacturer="Texas Instruments", Manufacturer Part Number=LP5907SNX-3.3/NOPB, Max Operating Temperature=125°C, Min Operating Temperature=-40°C, Output Voltage=3.3V, Component Type="Power Supply", Pins=5
U3: "REEL / F-RAM Memory Serial", Case/Package=DFN, Manufacturer=Cypress, Manufacturer Part Number=FM25V02A-DG, Max Operating Temperature=85°C, Min Operating Temperature=-40°C, Component Type=Memory, Memory Format=FRAM,RAM, Pins=8, Speed=40MHz
U4 U5 U6: "Bidirectional Voltage-Level Translator with Auto-Direction Sensing and +/-15 KV ESD Protection, 8 Bit, -40 to 85 degC, 20-Pin USON (DQS), Green (RoHS & no Sb/Br), Tape and Reel", Manufacturer="Texas Instruments", Component Type=Interface, Manufacturer Part Number=TXB0108DQSR, Pins=20
U7: "IC TRANSLATOR VOLTAGE 8-X2SON", Manufacturer="Texas Instruments", Max Operating Temperature=85°C, Max Supply Voltage=5.5V, Min Operating Temperature=-40°C, Min Supply Voltage=1.65V, Component Type=Interface, Manufacturer Part Number=TXS0102DQMR, Pins=8
U8 U10: "Rail-to-rail Input / Output GBP Operational Amplifier, 20 MHz, -40 to 125 degC, 6-Pin DFN, RoHS, Tape and Reel", Manufacturer=STMicroelectronics, Max Operating Temperature=125°C, Min Operating Temperature=-40°C, Channels=2, Component Type=Amplifiers, Manufacturer Part Number=TSV991AIQ1T, Pins=6
U9: "Dual High-speed CAN Transceiver with Standby Mode, 4.75 to 5.25 V, 14-Pin HVSON, RoHS, Tape and Reel", Manufacturer="NXP Semiconductors", Manufacturer Part Number=TJA1046TKZ, Component Type=Interface, Pins=15
U11: "CONFIGURABLE MULTIPLE-FUNCTION GATE, DRY0006A, LARGE T&R", Manufacturer="Texas Instruments", Component Type="Integrated Circuits", Manufacturer Part Number=SN74LVC1G58DRYR, Pins=6
U12: "ARM Cortex-M4 32-bit MCU+FPU, 2048 KB Flash, 256 KB Internal RAM, 82 I/Os, 100-Pin LQFP, -40 to 85 degC, Tape and Reel", Min Supply Voltage=1.7V, Component Type=Processors, ComponentLink1Description="Manufacturer URL", ComponentLink1URL=http://www.st.com/, ComponentLink2Description=Datasheet, ComponentLink2URL=http://www.st.com/st-web-ui/static/active/en/resource/technical/document/datasheet/DM00071990.pdf, Mounting Technology="Surface Mount", Pins=100, RAM Size=256
Y1: "Crystal, 24 MHz, +/- 10 ppm, -20 to 75 degC, 4-Pin SMD, RoHS, Tape and Reel", Case/Package=SMD/SMT, Frequency=24MHz, Load Capacitance=12pF, Manufacturer=Epson, Max Operating Temperature=75°C, Min Operating Temperature=-20°C, Component Type="Crystals & Oscillators", ESR=80, Manufacturer Part Number=FA-12824.0000MF10Z-W3, Mounting Technology=SMT, Pins=4, RoHS Compliant=Yes

## Via types
v1: diameter 0.4, hole 0.2, Top Layer to Bottom Layer, 257 vias

## Nets (pads, with @x,y where several pads share a name; then routed paths per layer and width w, separated by ;. In a path a pad name is that pad's centre, name@x,y a point inside that pad or via, vN(x,y) a via of type N, cw(c..) or ccw(c..) an arc to the next point about the centre after c; other vN are vias at no path point)
-LED_B: CN1.23 U12.89 | length 25.2
  Top Layer w0.15: v1(6.96,15.291) 7.15,15.1 U12.89@7.85,15.1
  L4 w0.15: v1(6.96,15.291) 7.747,16.078 7.747,18.212 8.941,19.406 12.348,19.406 18.546,25.603 21.829,25.603 22.032,25.806 22.032,27.977 v1(22.147,28.092)
  Bottom Layer w0.15: v1(22.147,28.092) 22.35,28.296 CN1.23@22.35,29.2
-LED_G: CN1.21 U12.36 | length 26.9
  Top Layer w0.15: v1(21.311,15.164) 21.874,14.6 U12.36@23.35,14.6
  L3 w0.15: v1(21.311,15.164) 21.311,16.891 21.539,17.12 24.066,17.12 24.441,17.495 24.911,17.495 v1(25.197,17.78)
  L4 w0.15: v1(22.657,30.302) 23.038,30.683 26.137,30.683 26.746,30.074 26.746,20.701 25.806,19.761 25.806,18.39 v1(25.197,17.78)
  Bottom Layer w0.15: v1(22.657,30.302) 22.85,30.109 CN1.21@22.85,29.2
-LED_R: CN1.19 U12.48 | length 15.8
  Top Layer w0.15: U12.48@23.35,20.6 25.298,20.6 25.629,20.269 v1(26.897,20.269)
  L3 w0.15: v1(22.962,28.092) 23.22,27.834 23.22,26.107 24.511,24.816 26.619,24.816 26.897,24.538 v1(26.897,20.269)
  Bottom Layer w0.15: v1(22.962,28.092) 23.198,28.092 23.35,28.245 CN1.19@23.35,29.2
BAT_CURRENT: R16.2 U10.1 U10.4 U12.26 | length 8.5
  Top Layer w0.15: U12.26@23.35,9.6 v1(24.257,9.601) v1(24.257,9.601) ; v1(26.06,6.2) v1(26.06,7.6)
  L4 w0.15: v1(24.257,9.601) 24.257,9.403 v1(26.06,7.6)
  Bottom Layer w0.14: v1(26.06,7.6) U10.4@26.775,7.6 27.285,7.6 27.407,7.722 27.407,8.273 27.534,8.4 U10.1@28.025,8.4
  Bottom Layer w0.15: R16.2@25.2,6.2 v1(26.06,6.2)
BAT_CURRENT_MB: CN1.28 R14.2 R16.1 | length 30.9
  Top Layer w0.15: v1(21.35,24.373) 22.758,25.781 v1(22.758,27.28)
  L4 w0.15: v1(22.758,27.28) 23.317,27.838 23.876,27.838 24.079,27.635 24.079,17.196 25.288,15.987 25.288,11.953 24.835,11.5 23.984,11.5 22.885,10.402 v1(22.885,7.874)
  Bottom Layer w0.15: v1(21.35,24.373) CN1.28@21.35,25.6 ; v1(22.885,7.874) 23.459,7.3 R14.2@24.3,7.3 R16.1@24.3,6.2
BAT_CURRENT_MB_R: R14.1 R15.2 U10.2 | length 6.7
  Bottom Layer w0.15: R14.1@25.2,7.3 25.2,7.722 ; R15.2@25.2,8.4 25.2,7.849 25.2,7.722 ; U10.2@28.025,8 28.854,8 28.956,7.567 28.374,6.985 25.937,6.985 25.2,7.722
BAT_VOLTAGE: R11.2 U8.1 U8.4 U12.25 | length 16.3
  Top Layer w0.14: U8.1@26.875,8.4 U8.1@27.171,8.4 ; 27.381,10.49 v1@27.381,8.687 ; v1(27.457,8.763) v1@27.381,8.687 ; U8.4@28.125,7.6 28.707,7.6 28.829,7.722 28.829,10.16 ; U8.1@27.171,8.4 27.268,8.498 ; U8.1@27.171,8.4 27.268,8.4 27.268,8.498 ; 27.268,8.498 27.268,8.574 v1@27.381,8.687 ; 27.268,8.498 27.381,8.611 v1@27.381,8.687
  Top Layer w0.15: U12.25@21.6,7.85 21.6,8.534 v1(21.996,8.534) ; R11.2@25.2,8.4 U8.1@26.875,8.4 ; 27.381,10.49 27.635,10.744 28.245,10.744 28.829,10.16
  L3 w0.15: v1(21.996,8.534) 27.229,8.534 v1(27.457,8.763)
BAT_VOLTAGE_MB: CN1.30 R9.2 R11.1 | length 21.8
  Top Layer w0.15: R9.2@24.3,7.3 R11.1@24.3,8.4 24.587,8.4 24.587,8.941 25.679,10.033 25.679,10.77 25.527,10.922 24.892,10.922 24.74,11.074 v1(24.74,12.167)
  L4 w0.15: v1(20.701,21.209) 23.622,18.288 23.622,15.717 25.038,14.3 25.038,13.798 24.74,13.499 v1(24.74,12.167)
  Bottom Layer w0.15: v1(20.701,21.209) 20.701,23.165 20.85,23.314 CN1.30@20.85,25.6
BAT_VOLTAGE_MB_R: R9.1 R10.2 U8.2 | length 3.1
  Top Layer w0.14: 25.806,8 U8.2@26.875,8
  Top Layer w0.15: R10.2@25.2,6.2 R9.1@25.2,7.3 25.2,7.394 25.806,8